# EAGLE board working (EAGLE 9.6.2), part 15 of 28 (continued)
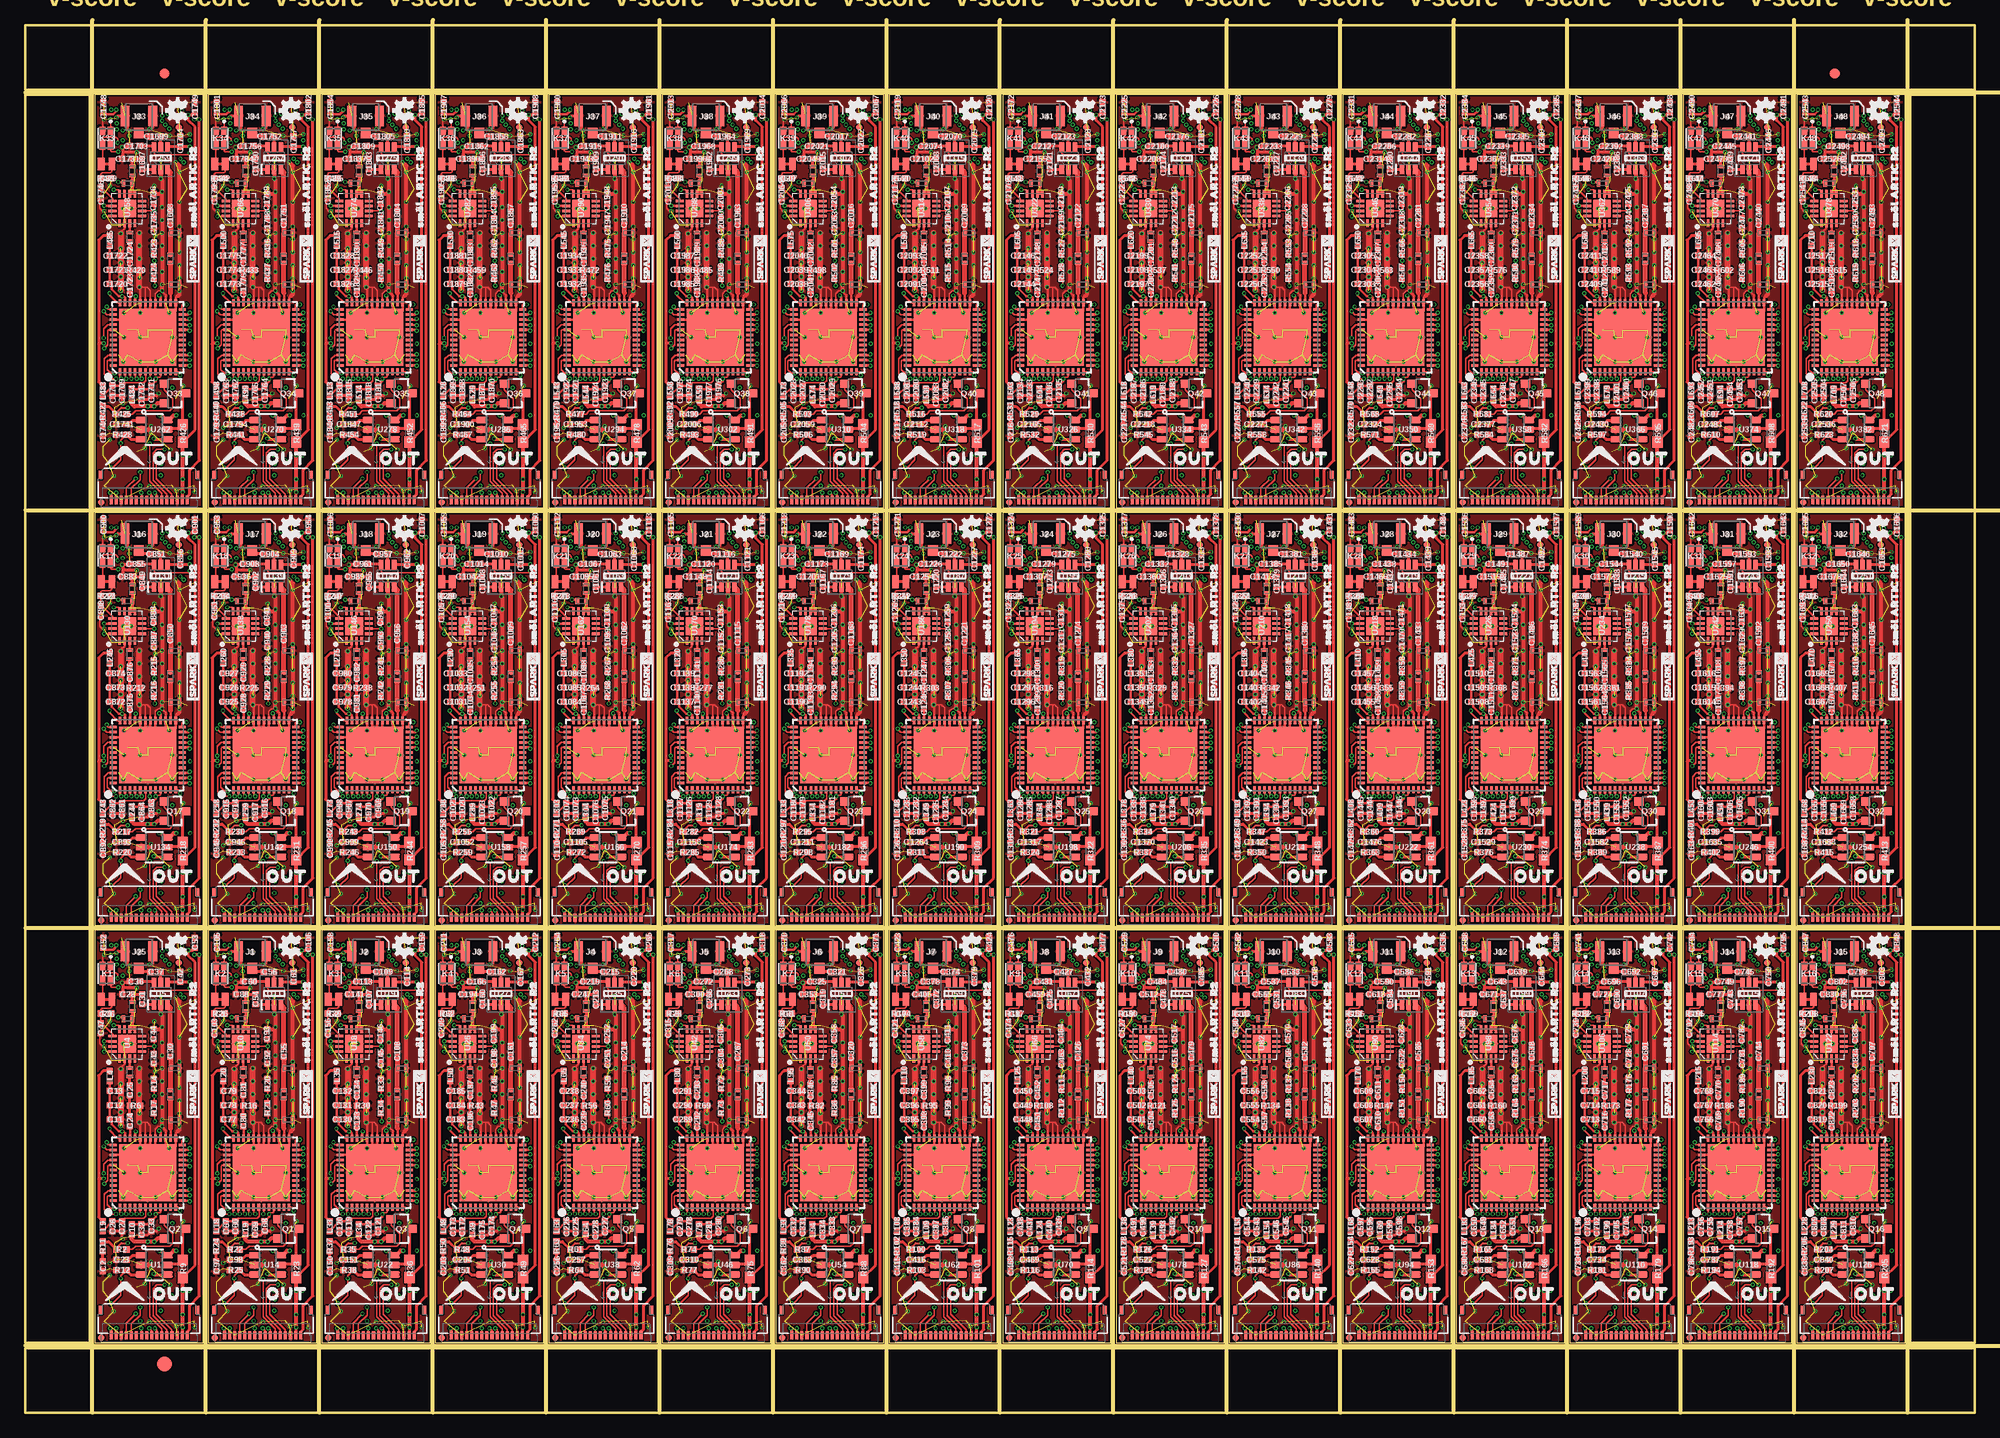
[diagram p0: board, top side]
## Tracks (layer width: path | path; a pad name or v marks a point on that pad's centre or on a via) (continued)
  Route15 0.152: v44.83,91.31 44.45,90.93 44.45,90.49 44.71,90.22 47.06,90.22 48.27,91.44 49.4,91.44 49.66,91.69 49.66,92.82 50.7,93.86 50.7,124.36 v49.71,125.35
  Bottom 0.152: v41.91,127.39 41.91,126.49 42.49,125.91 43.08,125.91 43.64,125.35 v49.71,125.35 | v44.83,91.31 44.79,91.35 U288.5
G37  (via drill 0.2)
  Top 0.152: K37.1 53.1,127.37 v53.09,127.39
  Route15 0.152: v56.01,91.31 55.63,90.93 55.63,90.49 55.89,90.22 58.23,90.22 59.45,91.44 60.58,91.44 60.83,91.69 60.83,92.82 61.87,93.86 61.87,124.36 v60.88,125.35
  Bottom 0.152: v53.09,127.39 53.09,126.49 53.67,125.91 54.26,125.91 54.82,125.35 v60.88,125.35 | v56.01,91.31 55.97,91.35 U296.5
G38  (via drill 0.2)
  Top 0.152: K38.1 64.28,127.37 v64.26,127.39
  Route15 0.152: v67.18,91.31 66.8,90.93 66.8,90.49 67.07,90.22 69.41,90.22 70.63,91.44 71.76,91.44 72.01,91.69 72.01,92.82 73.05,93.86 73.05,124.36 v72.06,125.35
  Bottom 0.152: v64.26,127.39 64.26,126.49 64.84,125.91 65.43,125.91 65.99,125.35 v72.06,125.35 | v67.18,91.31 67.14,91.35 U304.5
G39  (via drill 0.2)
  Top 0.152: K39.1 75.46,127.37 v75.44,127.39
  Route15 0.152: v78.36,91.31 77.98,90.93 77.98,90.49 78.24,90.22 80.59,90.22 81.8,91.44 82.93,91.44 83.19,91.69 83.19,92.82 84.23,93.86 84.23,124.36 v83.24,125.35
  Bottom 0.152: v75.44,127.39 75.44,126.49 76.02,125.91 76.61,125.91 77.17,125.35 v83.24,125.35 | v78.36,91.31 78.32,91.35 U312.5
G40  (via drill 0.2)
  Top 0.152: K40.1 86.63,127.37 v86.61,127.39
  Route15 0.152: v89.54,91.31 89.15,90.93 89.15,90.49 89.42,90.22 91.76,90.22 92.98,91.44 94.11,91.44 94.36,91.69 94.36,92.82 95.4,93.86 95.4,124.36 v94.41,125.35
  Bottom 0.152: v86.61,127.39 86.61,126.49 87.2,125.91 87.79,125.91 88.34,125.35 v94.41,125.35 | v89.54,91.31 89.49,91.35 U320.5
G41  (via drill 0.2)
  Top 0.152: K41.1 97.81,127.37 v97.79,127.39
  Route15 0.152: v100.71,91.31 100.33,90.93 100.33,90.49 100.59,90.22 102.94,90.22 104.15,91.44 105.28,91.44 105.54,91.69 105.54,92.82 106.58,93.86 106.58,124.36 v105.59,125.35
  Bottom 0.152: v97.79,127.39 97.79,126.49 98.37,125.91 98.96,125.91 99.52,125.35 v105.59,125.35 | v100.71,91.31 100.67,91.35 U328.5
G42  (via drill 0.2)
  Top 0.152: K42.1 108.98,127.37 v108.97,127.39
  Route15 0.152: v111.89,91.31 111.51,90.93 111.51,90.49 111.77,90.22 114.11,90.22 115.33,91.44 116.46,91.44 116.71,91.69 116.71,92.82 117.75,93.86 117.75,124.36 v116.77,125.35
  Bottom 0.152: v108.97,127.39 108.97,126.49 109.55,125.91 110.14,125.91 110.7,125.35 v116.77,125.35 | v111.89,91.31 111.85,91.35 U336.5
G43  (via drill 0.2)
  Top 0.152: K43.1 120.16,127.37 v120.14,127.39
  Route15 0.152: v123.06,91.31 122.68,90.93 122.68,90.49 122.95,90.22 125.29,90.22 126.51,91.44 127.64,91.44 127.89,91.69 127.89,92.82 128.93,93.86 128.93,124.36 v127.94,125.35
  Bottom 0.152: v120.14,127.39 120.14,126.49 120.73,125.91 121.31,125.91 121.87,125.35 v127.94,125.35 | v123.06,91.31 123.02,91.35 U344.5
G44  (via drill 0.2)
  Top 0.152: K44.1 131.34,127.37 v131.32,127.39
  Route15 0.152: v134.24,91.31 133.86,90.93 133.86,90.49 134.12,90.22 136.47,90.22 137.68,91.44 138.81,91.44 139.06,91.69 139.06,92.82 140.11,93.86 140.11,124.36 v139.12,125.35
  Bottom 0.152: v131.32,127.39 131.32,126.49 131.9,125.91 132.49,125.91 133.05,125.35 v139.12,125.35 | v134.24,91.31 134.2,91.35 U352.5
G45  (via drill 0.2)
  Top 0.152: K45.1 142.51,127.37 v142.49,127.39
  Route15 0.152: v145.41,91.31 145.03,90.93 145.03,90.49 145.3,90.22 147.64,90.22 148.86,91.44 149.99,91.44 150.24,91.69 150.24,92.82 151.28,93.86 151.28,124.36 v150.29,125.35
  Bottom 0.152: v142.49,127.39 142.49,126.49 143.08,125.91 143.66,125.91 144.22,125.35 v150.29,125.35 | v145.41,91.31 145.37,91.35 U360.5
G46  (via drill 0.2)
  Top 0.152: K46.1 153.69,127.37 v153.67,127.39
  Route15 0.152: v156.59,91.31 156.21,90.93 156.21,90.49 156.47,90.22 158.82,90.22 160.03,91.44 161.16,91.44 161.42,91.69 161.42,92.82 162.46,93.86 162.46,124.36 v161.47,125.35
  Bottom 0.152: v153.67,127.39 153.67,126.49 154.25,125.91 154.84,125.91 155.4,125.35 v161.47,125.35 | v156.59,91.31 156.55,91.35 U368.5
G47  (via drill 0.2)
  Top 0.152: K47.1 164.87,127.37 v164.85,127.39
  Route15 0.152: v167.77,91.31 167.39,90.93 167.39,90.49 167.65,90.22 169.99,90.22 171.21,91.44 172.34,91.44 172.59,91.69 172.59,92.82 173.63,93.86 173.63,124.36 v172.65,125.35
  Bottom 0.152: v164.85,127.39 164.85,126.49 165.43,125.91 166.02,125.91 166.58,125.35 v172.65,125.35 | v167.77,91.31 167.73,91.35 U376.5
G48  (via drill 0.2)
  Top 0.152: K48.1 176.04,127.37 v176.02,127.39
  Route15 0.152: v178.94,91.31 178.56,90.93 178.56,90.49 178.83,90.22 181.17,90.22 182.39,91.44 183.52,91.44 183.77,91.69 183.77,92.82 184.81,93.86 184.81,124.36 v183.82,125.35
  Bottom 0.152: v176.02,127.39 176.02,126.49 176.61,125.91 177.19,125.91 177.75,125.35 v183.82,125.35 | v178.94,91.31 178.9,91.35 U384.5
GND  (via drill 0.2)  (89 unrouted)
  Top 0.152: U3.30 12.31,28.26 12,28.57 11.81,28.57 | v11.24,28.57 11.81,28.57 | U3.31 11.81,28.57 | U3.29 12.8,27.04 12.8,27.91 13.08,28.19 v13.46,28.19 | v7.75,36.07 7.56,36.07 7.3,36.32 7.3,37.22 C47.1 | K1.2 7.6,44.94 v7.75,45.08
  Top 0.203: U4.2 9.78,34.36 9.4,33.97 v9.4,33.85
  Top 0.254: v13.46,28.19 13.46,28.13 13.81,27.78 U3.27 13.81,25.94 13.84,25.91 | 14.99,27.69 14.81,27.52 U3.25 14.81,26.25 14.48,25.91 13.84,25.91 | v11.31,26.05 U3.32 11.31,28.5 v11.24,28.57 | v11.31,26.05 v11.3,26.04 | U3.39 9.47,25.37 9.71,25.62 v9.71,26.04 | 13.84,25.91 12.83,25.91 | 12.83,25.91 12.32,25.91 | 12.32,25.91 11.81,25.91 | 11.81,25.91 11.45,25.91 v11.31,26.05 | U3.31 11.81,25.91 | U3.30 12.31,25.91 12.32,25.91 | U3.29 12.81,25.92 12.83,25.91
  Top 0.305: v8.95,45.27 9.12,45.44 J25.2 10.03,45.21 10.03,44.2 v10.22,44.01 | v12.19,44.13 12.38,44.13 12.55,44.3 J25.1 | C32.2 12.06,17.53 C33.2 12.9,17.85 v13.14,18.1 | v9.59,17.14 9.52,17.21 C27.2 C26.2 | C28.1 9.53,41.35 9.65,41.47 9.65,41.85 | 9.65,41.85 9.65,42.23 v9.52,42.35 10.17,42.35 C36.2 | v10.99,41.85 9.65,41.85
  Top 0.406: 14.99,27.69 15.16,27.86 L11.P$1 L12.P$1 15.16,34.53 v15.18,34.54 15.18,40.51 v14.8,40.89 | R6.1 | v13.46,28.19 v13.46,28.83 v13.46,30.1 v13.46,31.37 v13.46,32.64 v13.46,33.91 v13.46,35.18 v13.46,36.45 v13.46,37.97 | C44.2 13.26,37.77 v13.46,37.97 | v12.38,14.86 12.06,14.54 | U1.2 12.06,14.54 | v12.38,14.22 12.06,14.54 | U5.2 v13.34,39.24 13.46,39.12 v13.46,37.97
  Top 0.61: v11.24,28.57 v11.24,29.46 v11.24,31.37 v11.24,32.64 v11.24,33.91 | 9.4,28.31 v9.4,29.59 v9.4,30.99 v9.4,32.38 v9.4,33.85
  Bottom 0.152: U7.4 15.74,18.68 v15.56,18.86 | v9.52,42.35 8.76,42.35 7.75,41.35 R7.2 C22.1 7.75,39.11 v8.32,38.54 | X1.2 8.29,23.95 7.12,23.95 | C3.2 7.12,13.46 7.12,20.9 | 7.12,23.95 7.12,27.12 7.3,27.3 C8.2 7.88,27.3 8.79,26.4 9.13,26.4 9.49,26.04 v9.71,26.04 | 7.12,23.95 7.12,20.9 | R4.2 7.12,20.9
  Bottom 0.254: X1.1 10.1,24 v9.71,23.62
  Bottom 0.305: C50.2 13.65,17.59 v13.14,18.1
  Bottom 0.406: v8.32,14.73 8.32,14.22 U2.2 8.32,14.1 v8.32,13.53
  other vias: 15.18,29.46 15.18,28.19 15.18,32 15.18,33.27 11.3,23.62 9.65,21.21 11.3,21.21 12.83,21.21 14.48,21.21 15.18,30.73 9.4,28.19 9.65,36.32 10.41,36.32 12.7,38.54 16.19,43.62 13.34,41.02 15.18,36.96 15.18,39.88 14.86,8.51 16.7,8.38 11.75,12.7 15.18,45.34 14.48,23.62 12.19,8.95 8.7,9.97 14.29,12.57 14.16,26.04 14.22,43.5 12.79,33.62 8.19,11.24
  cutout Route2 (isolate 0.305): 13.72,40.64 14.86,40.64 14.86,27.94 14.61,27.69 14.61,26.54 13.97,26.54 13.97,27.81 13.72,28.07
  pour Top (isolate 0.152, rank 3): 6.86,47.5 17.53,47.5 17.53,6.86 6.86,6.86
  pour Route2 (isolate 0.152, rank 2): 6.86,47.5 17.53,47.5 17.53,6.86 6.86,6.86
  pour Route15 (isolate 0.152, rank 2): 6.86,47.5 17.53,47.5 17.53,6.86 6.86,6.86
  pour Bottom (isolate 0.152, rank 2): 6.86,47.5 17.53,47.5 17.53,6.86 6.86,6.86
  pour Top (isolate 0.102): 9.14,35.18 11.56,35.18 11.56,26.29 9.14,26.29
  pour Top (isolate 0.102): 13.27,40.64 15.37,40.64 15.37,26.29 13.27,26.29
  pour Top (isolate 0.102): 9.78,41.59 13.27,41.59 13.27,37.15 9.78,37.15
  pour Top (isolate 0.102): 9.21,46.61 13.78,46.61 13.78,41.59 9.21,41.59
GND1  (via drill 0.2)  (89 unrouted)
  Top 0.152: U9.30 23.49,28.26 23.18,28.57 22.99,28.57 | v22.41,28.57 22.99,28.57 | U9.31 22.99,28.57 | U9.29 23.97,27.04 23.97,27.91 24.25,28.19 v24.64,28.19 | v18.92,36.07 18.73,36.07 18.48,36.32 18.48,37.22 C103.1 | K2.2 18.78,44.94 v18.92,45.08
  Top 0.203: U10.2 20.96,34.36 20.57,33.97 v20.57,33.85
  Top 0.254: v24.64,28.19 24.64,28.13 24.99,27.78 U9.27 24.99,25.94 25.02,25.91 | 26.16,27.69 25.99,27.52 U9.25 25.99,26.25 25.65,25.91 25.02,25.91 | 22.49,26.05 U9.32 22.49,28.5 v22.41,28.57 | 22.49,26.05 v22.48,26.04 | U9.39 20.65,25.37 20.89,25.62 v20.89,26.04 | 25.02,25.91 24,25.91 | 24,25.91 23.5,25.91 | 23.5,25.91 22.99,25.91 | 22.99,25.91 22.63,25.91 22.49,26.05 | U9.31 22.99,25.91 | U9.30 23.49,25.91 23.5,25.91 | U9.29 23.99,25.92 24,25.91
  Top 0.305: v20.13,45.27 20.29,45.44 J1.2 21.21,45.21 21.21,44.2 v21.4,44.01 | v23.37,44.13 23.56,44.13 23.73,44.3 J1.1 | C69.2 23.24,17.53 C68.2 24.07,17.85 v24.32,18.1 | v20.76,17.14 20.7,17.21 C66.2 C67.2 | C88.1 20.71,41.35 20.83,41.47 20.83,41.85 | 20.83,41.85 20.83,42.23 v20.7,42.35 21.34,42.35 C60.2 | v22.16,41.85 20.83,41.85
  Top 0.406: 26.16,27.69 26.34,27.86 L27.P$1 L28.P$1 26.34,34.53 v26.35,34.54 26.35,40.51 v25.97,40.89 | 22.48,30.22 R16.1 | v24.64,28.19 v24.64,28.83 v24.64,30.1 v24.64,31.37 v24.64,32.64 v24.64,33.91 v24.64,35.18 v24.64,36.45 v24.64,37.97 | C93.2 24.44,37.77 v24.64,37.97 | v23.56,14.86 23.24,14.54 | U14.2 23.24,14.54 | v23.56,14.22 23.24,14.54 | U11.2 v24.51,39.24 24.64,39.12 v24.64,37.97
  Top 0.61: v22.41,28.57 v22.41,29.46 v22.41,31.37 v22.41,32.64 v22.41,33.91 | 20.57,28.31 v20.57,29.59 v20.57,30.99 v20.57,32.38 v20.57,33.85
  Bottom 0.152: U15.4 26.91,18.68 v26.73,18.86 | v20.7,42.35 19.94,42.35 18.93,41.35 R18.2 C82.1 18.93,39.11 v19.49,38.54 | X2.2 19.47,23.95 18.29,23.95 | C58.2 18.29,13.46 18.29,20.9 | 18.29,23.95 18.29,27.12 18.48,27.3 C71.2 19.06,27.3 19.97,26.4 20.31,26.4 20.67,26.04 v20.89,26.04 | 18.29,23.95 18.29,20.9 | R15.2 18.3,20.9 18.29,20.9
  Bottom 0.254: X2.1 21.27,24 v20.89,23.62
  Bottom 0.305: C102.2 24.83,17.59 v24.32,18.1
  Bottom 0.406: v19.49,14.73 19.49,14.22 U12.2 19.49,14.1 v19.49,13.53
  other vias: 26.35,29.46 26.35,28.19 26.35,32 26.35,33.27 22.48,23.62 20.83,21.21 22.48,21.21 24,21.21 25.65,21.21 26.35,30.73 20.57,28.19 20.83,36.32 21.59,36.32 23.88,38.54 27.37,43.62 24.51,41.02 26.35,36.96 26.35,39.88 26.04,8.51 27.88,8.38 22.92,12.7 26.35,45.34 25.65,23.62 23.37,8.95 19.88,9.97 25.46,12.57 25.34,26.04 25.4,43.5 23.96,33.62 19.37,11.24
  cutout Route2 (isolate 0.305): 24.89,40.64 26.04,40.64 26.04,27.94 25.78,27.69 25.78,26.54 25.15,26.54 25.15,27.81 24.89,28.07
  pour Top (isolate 0.152, rank 3): 18.03,47.5 28.7,47.5 28.7,6.86 18.03,6.86
  pour Route2 (isolate 0.152, rank 2): 18.03,47.5 28.7,47.5 28.7,6.86 18.03,6.86
  pour Route15 (isolate 0.152, rank 2): 18.03,47.5 28.7,47.5 28.7,6.86 18.03,6.86
  pour Bottom (isolate 0.152, rank 2): 18.03,47.5 28.7,47.5 28.7,6.86 18.03,6.86
  pour Top (isolate 0.102): 20.32,35.18 22.73,35.18 22.73,26.29 20.32,26.29
  pour Top (isolate 0.102): 24.45,40.64 26.54,40.64 26.54,26.29 24.45,26.29
  pour Top (isolate 0.102): 20.95,41.59 24.45,41.59 24.45,37.15 20.95,37.15
  pour Top (isolate 0.102): 20.38,46.61 24.96,46.61 24.96,41.59 20.38,41.59
GND2  (via drill 0.2)  (89 unrouted)
  Top 0.152: U17.30 34.67,28.26 34.35,28.57 34.16,28.57 | v33.59,28.57 34.16,28.57 | U17.31 34.17,28.57 34.16,28.57 | U17.29 35.15,27.04 35.15,27.91 35.43,28.19 v35.81,28.19 | v30.1,36.07 29.91,36.07 29.66,36.32 29.66,37.22 C156.1 | K3.2 29.95,44.94 v30.1,45.08
  Top 0.203: U18.2 32.13,34.36 31.75,33.97 v31.75,33.85
  Top 0.254: v35.81,28.19 35.81,28.13 36.17,27.78 U17.27 36.17,25.94 36.2,25.91 | 37.34,27.69 37.17,27.52 U17.25 37.17,26.25 36.83,25.91 36.2,25.91 | v33.67,26.05 U17.32 33.67,28.5 v33.59,28.57 | v33.67,26.05 v33.66,26.04 | U17.39 31.82,25.37 32.07,25.62 v32.07,26.04 | 36.2,25.91 35.18,25.91 | 35.18,25.91 34.67,25.91 | 34.67,25.91 34.16,25.91 | 34.16,25.91 33.81,25.91 v33.67,26.05 | U17.31 34.17,25.91 34.16,25.91 | U17.30 34.67,25.91 | U17.29 35.17,25.92 35.18,25.91
  Top 0.305: v31.31,45.27 31.47,45.44 J2.2 32.38,45.21 32.38,44.2 v32.58,44.01 | v34.54,44.13 34.73,44.13 34.9,44.3 J2.1 | C122.2 34.42,17.53 C121.2 35.25,17.85 v35.5,18.1 | v31.94,17.14 31.88,17.21 C119.2 C120.2 | C141.1 31.89,41.35 32,41.47 32,41.85 | 32,41.85 32,42.23 v31.88,42.35 32.52,42.35 C113.2 | v33.34,41.85 32,41.85
  Top 0.406: 37.34,27.69 37.52,27.86 L42.P$1 L43.P$1 37.52,34.53 v37.53,34.54 37.53,40.51 v37.15,40.89 | R30.1 | v35.81,28.19 v35.81,28.83 v35.81,30.1 v35.81,31.37 v35.81,32.64 v35.81,33.91 v35.81,35.18 v35.81,36.45 v35.81,37.97 | C146.2 35.62,37.77 v35.81,37.97 | v34.73,14.86 34.42,14.54 | U22.2 34.42,14.54 | v34.73,14.22 34.42,14.54 | U19.2 v35.69,39.24 35.81,39.12 v35.81,37.97
  Top 0.61: v33.59,28.57 v33.59,29.46 v33.59,31.37 v33.59,32.64 v33.59,33.91 | 31.75,28.31 v31.75,29.59 v31.75,30.99 v31.75,32.38 v31.75,33.85
  Bottom 0.152: U23.4 38.09,18.68 v37.91,18.86 | v31.88,42.35 31.12,42.35 30.11,41.35 R31.2 C135.1 30.11,39.11 v30.67,38.54 | X3.2 30.65,23.95 29.47,23.95 | C111.2 29.47,13.46 29.47,20.9 | 29.47,23.95 29.47,27.12 29.65,27.3 C124.2 30.23,27.3 31.14,26.4 31.48,26.4 31.84,26.04 v32.07,26.04 | 29.47,23.95 29.47,20.9 | R29.2 29.47,20.9
  Bottom 0.254: X3.1 32.45,24 v32.07,23.62
  Bottom 0.305: C155.2 36,17.59 v35.5,18.1
  Bottom 0.406: v30.67,14.73 30.67,14.22 U20.2 30.67,14.1 v30.67,13.53
  other vias: 37.53,29.46 37.53,28.19 37.53,32 37.53,33.27 33.66,23.62 32,21.21 33.66,21.21 35.18,21.21 36.83,21.21 37.53,30.73 31.75,28.19 32,36.32 32.77,36.32 35.05,38.54 38.54,43.62 35.69,41.02 37.53,36.96 37.53,39.88 37.21,8.51 39.05,8.38 34.1,12.7 37.53,45.34 36.83,23.62 34.54,8.95 31.05,9.97 36.64,12.57 36.51,26.04 36.58,43.5 35.14,33.62 30.54,11.24
  cutout Route2 (isolate 0.305): 36.07,40.64 37.21,40.64 37.21,27.94 36.96,27.69 36.96,26.54 36.32,26.54 36.32,27.81 36.07,28.07
  pour Top (isolate 0.152, rank 3): 29.21,47.5 39.88,47.5 39.88,6.86 29.21,6.86
  pour Route2 (isolate 0.152, rank 2): 29.21,47.5 39.88,47.5 39.88,6.86 29.21,6.86
  pour Route15 (isolate 0.152, rank 2): 29.21,47.5 39.88,47.5 39.88,6.86 29.21,6.86
  pour Bottom (isolate 0.152, rank 2): 29.21,47.5 39.88,47.5 39.88,6.86 29.21,6.86
  pour Top (isolate 0.102): 31.5,35.18 33.91,35.18 33.91,26.29 31.5,26.29
  pour Top (isolate 0.102): 35.62,40.64 37.72,40.64 37.72,26.29 35.62,26.29
  pour Top (isolate 0.102): 32.13,41.59 35.62,41.59 35.62,37.15 32.13,37.15
  pour Top (isolate 0.102): 31.56,46.61 36.13,46.61 36.13,41.59 31.56,41.59
GND3  (via drill 0.2)  (89 unrouted)
  Top 0.152: U25.30 45.84,28.26 45.53,28.57 45.34,28.57 | v44.77,28.57 45.34,28.57 | U25.31 45.34,28.57 | U25.29 46.32,27.04 46.32,27.91 46.6,28.19 v46.99,28.19 | v41.27,36.07 41.08,36.07 40.83,36.32 40.83,37.22 C209.1 | K4.2 41.13,44.94 v41.27,45.08
  Top 0.203: U26.2 43.31,34.36 42.93,33.97 v42.93,33.85
  Top 0.254: v46.99,28.19 46.99,28.13 47.34,27.78 U25.27 47.34,25.94 47.37,25.91 | 48.51,27.69 48.34,27.52 U25.25 48.34,26.25 48.01,25.91 47.37,25.91 | 44.84,26.05 U25.32 44.84,28.5 v44.77,28.57 | 44.84,26.05 v44.83,26.04 | U25.39 43,25.37 43.24,25.62 v43.24,26.04 | 47.37,25.91 46.35,25.91 | 46.35,25.91 45.85,25.91 | 45.85,25.91 45.34,25.91 | 45.34,25.91 44.98,25.91 44.84,26.05 | U25.31 45.34,25.91 | U25.30 45.84,25.91 45.85,25.91 | U25.29 46.34,25.92 46.35,25.91
  Top 0.305: v42.48,45.27 42.64,45.44 J3.2 43.56,45.21 43.56,44.2 v43.75,44.01 | v45.72,44.13 45.91,44.13 46.08,44.3 J3.1 | C175.2 45.59,17.53 C174.2 46.43,17.85 v46.67,18.1 | v43.12,17.14 43.05,17.21 C172.2 C173.2 | C194.1 43.06,41.35 43.18,41.47 43.18,41.85 | 43.18,41.85 43.18,42.23 v43.05,42.35 43.7,42.35 C166.2 | v44.51,41.85 43.18,41.85
  Top 0.406: 48.51,27.69 48.69,27.86 L57.P$1 L58.P$1 48.69,34.53 v48.7,34.54 48.7,40.51 v48.32,40.89 | R43.1 | v46.99,28.19 v46.99,28.83 v46.99,30.1 v46.99,31.37 v46.99,32.64 v46.99,33.91 v46.99,35.18 v46.99,36.45 v46.99,37.97 | C199.2 46.79,37.77 v46.99,37.97 | v45.91,14.86 45.59,14.54 | U30.2 45.59,14.54 | v45.91,14.22 45.59,14.54 | U27.2 v46.86,39.24 46.99,39.12 v46.99,37.97
  Top 0.61: v44.77,28.57 v44.77,29.46 v44.77,31.37 v44.77,32.64 v44.77,33.91 | 42.93,28.31 v42.93,29.59 v42.93,30.99 v42.93,32.38 v42.93,33.85
  Bottom 0.152: U31.4 49.26,18.68 v49.08,18.86 | v43.05,42.35 42.29,42.35 41.28,41.35 R44.2 C188.1 41.28,39.11 v41.85,38.54 | X4.2 41.82,23.95 40.65,23.95 40.64,23.95 | C164.2 40.64,13.46 40.64,20.9 | 40.64,23.95 40.64,27.12 40.83,27.3 C177.2 41.41,27.3 42.32,26.4 42.66,26.4 43.02,26.04 v43.24,26.04 | 40.64,23.95 40.64,20.9 | R42.2 40.65,20.9 40.64,20.9
  Bottom 0.254: X4.1 43.63,24 v43.24,23.62
  Bottom 0.305: C208.2 47.18,17.59 v46.67,18.1
  Bottom 0.406: v41.85,14.73 41.85,14.22 U28.2 41.85,14.1 v41.85,13.53
  other vias: 48.7,29.46 48.7,28.19 48.7,32 48.7,33.27 44.83,23.62 43.18,21.21 44.83,21.21 46.35,21.21 48.01,21.21 48.7,30.73 42.93,28.19 43.18,36.32 43.94,36.32 46.23,38.54 49.72,43.62 46.86,41.02 48.7,36.96 48.7,39.88 48.39,8.51 50.23,8.38 45.28,12.7 48.7,45.34 48.01,23.62 45.72,8.95 42.23,9.97 47.82,12.57 47.69,26.04 47.75,43.5 46.32,33.62 41.72,11.24
  cutout Route2 (isolate 0.305): 47.24,40.64 48.39,40.64 48.39,27.94 48.13,27.69 48.13,26.54 47.5,26.54 47.5,27.81 47.24,28.07
  pour Top (isolate 0.152, rank 3): 40.39,47.5 51.05,47.5 51.05,6.86 40.39,6.86
  pour Route2 (isolate 0.152, rank 2): 40.39,47.5 51.05,47.5 51.05,6.86 40.39,6.86
  pour Route15 (isolate 0.152, rank 2): 40.39,47.5 51.05,47.5 51.05,6.86 40.39,6.86
  pour Bottom (isolate 0.152, rank 2): 40.39,47.5 51.05,47.5 51.05,6.86 40.39,6.86
  pour Top (isolate 0.102): 42.67,35.18 45.08,35.18 45.08,26.29 42.67,26.29
  pour Top (isolate 0.102): 46.8,40.64 48.89,40.64 48.89,26.29 46.8,26.29
  pour Top (isolate 0.102): 43.31,41.59 46.8,41.59 46.8,37.15 43.31,37.15
  pour Top (isolate 0.102): 42.74,46.61 47.31,46.61 47.31,41.59 42.74,41.59
GND4  (via drill 0.2)  (89 unrouted)
  Top 0.152: U33.30 57.02,28.26 56.7,28.57 56.51,28.57 | v55.94,28.57 56.51,28.57 | U33.31 56.52,28.57 56.51,28.57 | U33.29 57.5,27.04 57.5,27.91 57.78,28.19 v58.17,28.19 | v52.45,36.07 52.26,36.07 52.01,36.32 52.01,37.22 C262.1 | K5.2 52.3,44.94 v52.45,45.08
  Top 0.203: U34.2 54.49,34.36 54.1,33.97 v54.1,33.85
  Top 0.254: v58.17,28.19 58.17,28.13 58.52,27.78 U33.27 58.52,25.94 58.55,25.91 | 59.69,27.69 59.52,27.52 U33.25 59.52,26.25 59.18,25.91 58.55,25.91 | 56.02,26.05 U33.32 56.02,28.5 v55.94,28.57 | 56.02,26.05 v56.01,26.04 | U33.39 54.18,25.37 54.42,25.62 v54.42,26.04 | 58.55,25.91 57.53,25.91 | 57.53,25.91 57.02,25.91 | 57.02,25.91 56.51,25.91 | 56.51,25.91 56.16,25.91 56.02,26.05 | U33.31 56.52,25.91 56.51,25.91 | U33.30 57.02,25.91 | U33.29 57.52,25.92 57.53,25.91
  Top 0.305: v53.66,45.27 53.82,45.44 J4.2 54.74,45.21 54.74,44.2 v54.93,44.01 | v56.9,44.13 57.09,44.13 57.25,44.3 J4.1 | C228.2 56.77,17.53 C227.2 57.6,17.85 v57.85,18.1 | v54.29,17.14 54.23,17.21 C225.2 C226.2 | C247.1 54.24,41.35 54.36,41.47 54.36,41.85 | 54.36,41.85 54.36,42.23 v54.23,42.35 54.87,42.35 C219.2 | v55.69,41.85 54.36,41.85
  Top 0.406: 59.69,27.69 59.87,27.86 L72.P$1 L73.P$1 59.87,34.53 v59.88,34.54 59.88,40.51 v59.5,40.89 | R56.1 | v58.17,28.19 v58.17,28.83 v58.17,30.1 v58.17,31.37 v58.17,32.64 v58.17,33.91 v58.17,35.18 v58.17,36.45 v58.17,37.97 | C252.2 57.97,37.77 v58.17,37.97 | v57.09,14.86 56.77,14.54 | U38.2 56.77,14.54 | v57.09,14.22 56.77,14.54 | U35.2 v58.04,39.24 58.17,39.12 v58.17,37.97
  Top 0.61: v55.94,28.57 v55.94,29.46 v55.94,31.37 v55.94,32.64 v55.94,33.91 | 54.1,28.31 v54.1,29.59 v54.1,30.99 v54.1,32.38 v54.1,33.85
  Bottom 0.152: U39.4 60.44,18.68 v60.26,18.86 | v54.23,42.35 53.47,42.35 52.46,41.35 R57.2 C241.1 52.46,39.11 v53.02,38.54 | X5.2 53,23.95 51.82,23.95 | C217.2 51.82,13.46 51.82,20.9 | 51.82,23.95 51.82,27.12 52,27.3 C230.2 52.59,27.3 53.49,26.4 53.83,26.4 54.2,26.04 v54.42,26.04 | 51.82,23.95 51.82,20.9 | R55.2 51.83,20.9 51.82,20.9
  Bottom 0.254: X5.1 54.8,24 v54.42,23.62
  Bottom 0.305: C261.2 58.36,17.59 v57.85,18.1
  Bottom 0.406: v53.02,14.73 53.02,14.22 U36.2 53.02,14.1 v53.02,13.53
  other vias: 59.88,29.46 59.88,28.19 59.88,32 59.88,33.27 56.01,23.62 54.36,21.21 56.01,21.21 57.53,21.21 59.18,21.21 59.88,30.73 54.1,28.19 54.36,36.32 55.12,36.32 57.4,38.54 60.9,43.62 58.04,41.02 59.88,36.96 59.88,39.88 59.56,8.51 61.4,8.38 56.45,12.7 59.88,45.34 59.18,23.62 56.9,8.95 53.4,9.97 58.99,12.57 58.86,26.04 58.93,43.5 57.49,33.62 52.9,11.24
  cutout Route2 (isolate 0.305): 58.42,40.64 59.56,40.64 59.56,27.94 59.31,27.69 59.31,26.54 58.67,26.54 58.67,27.81 58.42,28.07
  pour Top (isolate 0.152, rank 3): 51.56,47.5 62.23,47.5 62.23,6.86 51.56,6.86
  pour Route2 (isolate 0.152, rank 2): 51.56,47.5 62.23,47.5 62.23,6.86 51.56,6.86
  pour Route15 (isolate 0.152, rank 2): 51.56,47.5 62.23,47.5 62.23,6.86 51.56,6.86
  pour Bottom (isolate 0.152, rank 2): 51.56,47.5 62.23,47.5 62.23,6.86 51.56,6.86
  pour Top (isolate 0.102): 53.85,35.18 56.26,35.18 56.26,26.29 53.85,26.29
  pour Top (isolate 0.102): 57.98,40.64 60.07,40.64 60.07,26.29 57.98,26.29
  pour Top (isolate 0.102): 54.48,41.59 57.98,41.59 57.98,37.15 54.48,37.15
  pour Top (isolate 0.102): 53.91,46.61 58.48,46.61 58.48,41.59 53.91,41.59
GND5  (via drill 0.2)  (89 unrouted)
  Top 0.152: U41.30 68.2,28.26 67.88,28.57 67.69,28.57 | v67.12,28.57 67.69,28.57 | U41.31 67.7,28.57 67.69,28.57 | U41.29 68.68,27.04 68.68,27.91 68.96,28.19 v69.34,28.19 | v63.63,36.07 63.44,36.07 63.18,36.32 63.18,37.22 C315.1 | K6.2 63.48,44.94 v63.63,45.08
  Top 0.203: U42.2 65.66,34.36 65.28,33.97 v65.28,33.85
  Top 0.254: v69.34,28.19 69.34,28.13 69.7,27.78 U41.27 69.7,25.94 69.72,25.91 | 70.87,27.69 70.7,27.52 U41.25 70.7,26.25 70.36,25.91 69.72,25.91 | v67.2,26.05 U41.32 67.2,28.5 v67.12,28.57 | v67.2,26.05 v67.18,26.04 | U41.39 65.35,25.37 65.59,25.62 v65.59,26.04 | 69.72,25.91 68.71,25.91 | 68.71,25.91 68.2,25.91 | 68.2,25.91 67.69,25.91 | 67.69,25.91 67.33,25.91 v67.2,26.05 | U41.31 67.7,25.91 67.69,25.91 | U41.30 68.2,25.91 | U41.29 68.7,25.92 68.71,25.91
  Top 0.305: v64.83,45.27 65,45.44 J5.2 65.91,45.21 65.91,44.2 v66.1,44.01 | v68.07,44.13 68.26,44.13 68.43,44.3 J5.1 | C281.2 67.95,17.53 C280.2 68.78,17.85 v69.02,18.1 | v65.47,17.14 65.41,17.21 C278.2 C279.2 | C300.1 65.41,41.35 65.53,41.47 65.53,41.85 | 65.53,41.85 65.53,42.23 v65.41,42.35 66.05,42.35 C272.2 | v66.87,41.85 65.53,41.85
  Top 0.406: 70.87,27.69 71.04,27.86 L87.P$1 L88.P$1 71.04,34.53 v71.06,34.54 71.06,40.51 v70.68,40.89 | R69.1 | v69.34,28.19 v69.34,28.83 v69.34,30.1 v69.34,31.37 v69.34,32.64 v69.34,33.91 v69.34,35.18 v69.34,36.45 v69.34,37.97 | C305.2 69.14,37.77 v69.34,37.97 | v68.26,14.86 67.95,14.54 | U46.2 67.95,14.54 | v68.26,14.22 67.95,14.54 | U43.2 v69.22,39.24 69.34,39.12 v69.34,37.97
  Top 0.61: v67.12,28.57 v67.12,29.46 v67.12,31.37 v67.12,32.64 v67.12,33.91 | 65.28,28.31 v65.28,29.59 v65.28,30.99 v65.28,32.38 v65.28,33.85
  Bottom 0.152: U47.4 71.62,18.68 v71.44,18.86 | v65.41,42.35 64.64,42.35 63.63,41.35 R70.2 C294.1 63.63,39.11 v64.2,38.54 | X6.2 64.17,23.95 63,23.95 | C270.2 63,13.46 63,20.9 | 63,23.95 63,27.12 63.18,27.3 C283.2 63.76,27.3 64.67,26.4 65.01,26.4 65.37,26.04 v65.59,26.04 | 63,23.95 63,20.9 | R68.2 63,20.9
  Bottom 0.254: X6.1 65.98,24 v65.59,23.62
  Bottom 0.305: C314.2 69.53,17.59 v69.02,18.1
  Bottom 0.406: v64.2,14.73 64.2,14.22 U44.2 64.2,14.1 v64.2,13.53
  other vias: 71.06,29.46 71.06,28.19 71.06,32 71.06,33.27 67.18,23.62 65.53,21.21 67.18,21.21 68.71,21.21 70.36,21.21 71.06,30.73 65.28,28.19 65.53,36.32 66.29,36.32 68.58,38.54 72.07,43.62 69.22,41.02 71.06,36.96 71.06,39.88 70.74,8.51 72.58,8.38 67.63,12.7 71.06,45.34 70.36,23.62 68.07,8.95 64.58,9.97 70.17,12.57 70.04,26.04 70.1,43.5 68.67,33.62 64.07,11.24
  cutout Route2 (isolate 0.305): 69.6,40.64 70.74,40.64 70.74,27.94 70.48,27.69 70.48,26.54 69.85,26.54 69.85,27.81 69.6,28.07
  pour Top (isolate 0.152, rank 3): 62.74,47.5 73.41,47.5 73.41,6.86 62.74,6.86
  pour Route2 (isolate 0.152, rank 2): 62.74,47.5 73.41,47.5 73.41,6.86 62.74,6.86
  pour Route15 (isolate 0.152, rank 2): 62.74,47.5 73.41,47.5 73.41,6.86 62.74,6.86
  pour Bottom (isolate 0.152, rank 2): 62.74,47.5 73.41,47.5 73.41,6.86 62.74,6.86
  pour Top (isolate 0.102): 65.02,35.18 67.44,35.18 67.44,26.29 65.02,26.29
  pour Top (isolate 0.102): 69.15,40.64 71.25,40.64 71.25,26.29 69.15,26.29
  pour Top (isolate 0.102): 65.66,41.59 69.15,41.59 69.15,37.15 65.66,37.15
  pour Top (isolate 0.102): 65.09,46.61 69.66,46.61 69.66,41.59 65.09,41.59
GND6  (via drill 0.2)  (89 unrouted)
  Top 0.152: U49.30 79.37,28.26 79.06,28.57 78.87,28.57 | v78.3,28.57 78.87,28.57 | U49.31 78.87,28.57 | U49.29 79.85,27.04 79.85,27.91 80.13,28.19 v80.52,28.19 | v74.8,36.07 74.61,36.07 74.36,36.32 74.36,37.22 C368.1 | K7.2 74.66,44.94 v74.8,45.08
  Top 0.203: U50.2 76.84,34.36 76.45,33.97 v76.45,33.85